# Altium PCB PuttPilot-Node.PcbDoc (part 2 of 2)
Units mm, origin at the board's own origin, x right, y up, seen from the top; angles counter-clockwise.
Board outline 130 x 60 mm, 4 copper layers (L01-SIG, L02-GND, L03-PWR, L04-SIG), stack 0.603 mm thick; 152 components, 66 nets, 381 pads, 496 vias.
Unrouted connection lines stored in the file: 140.
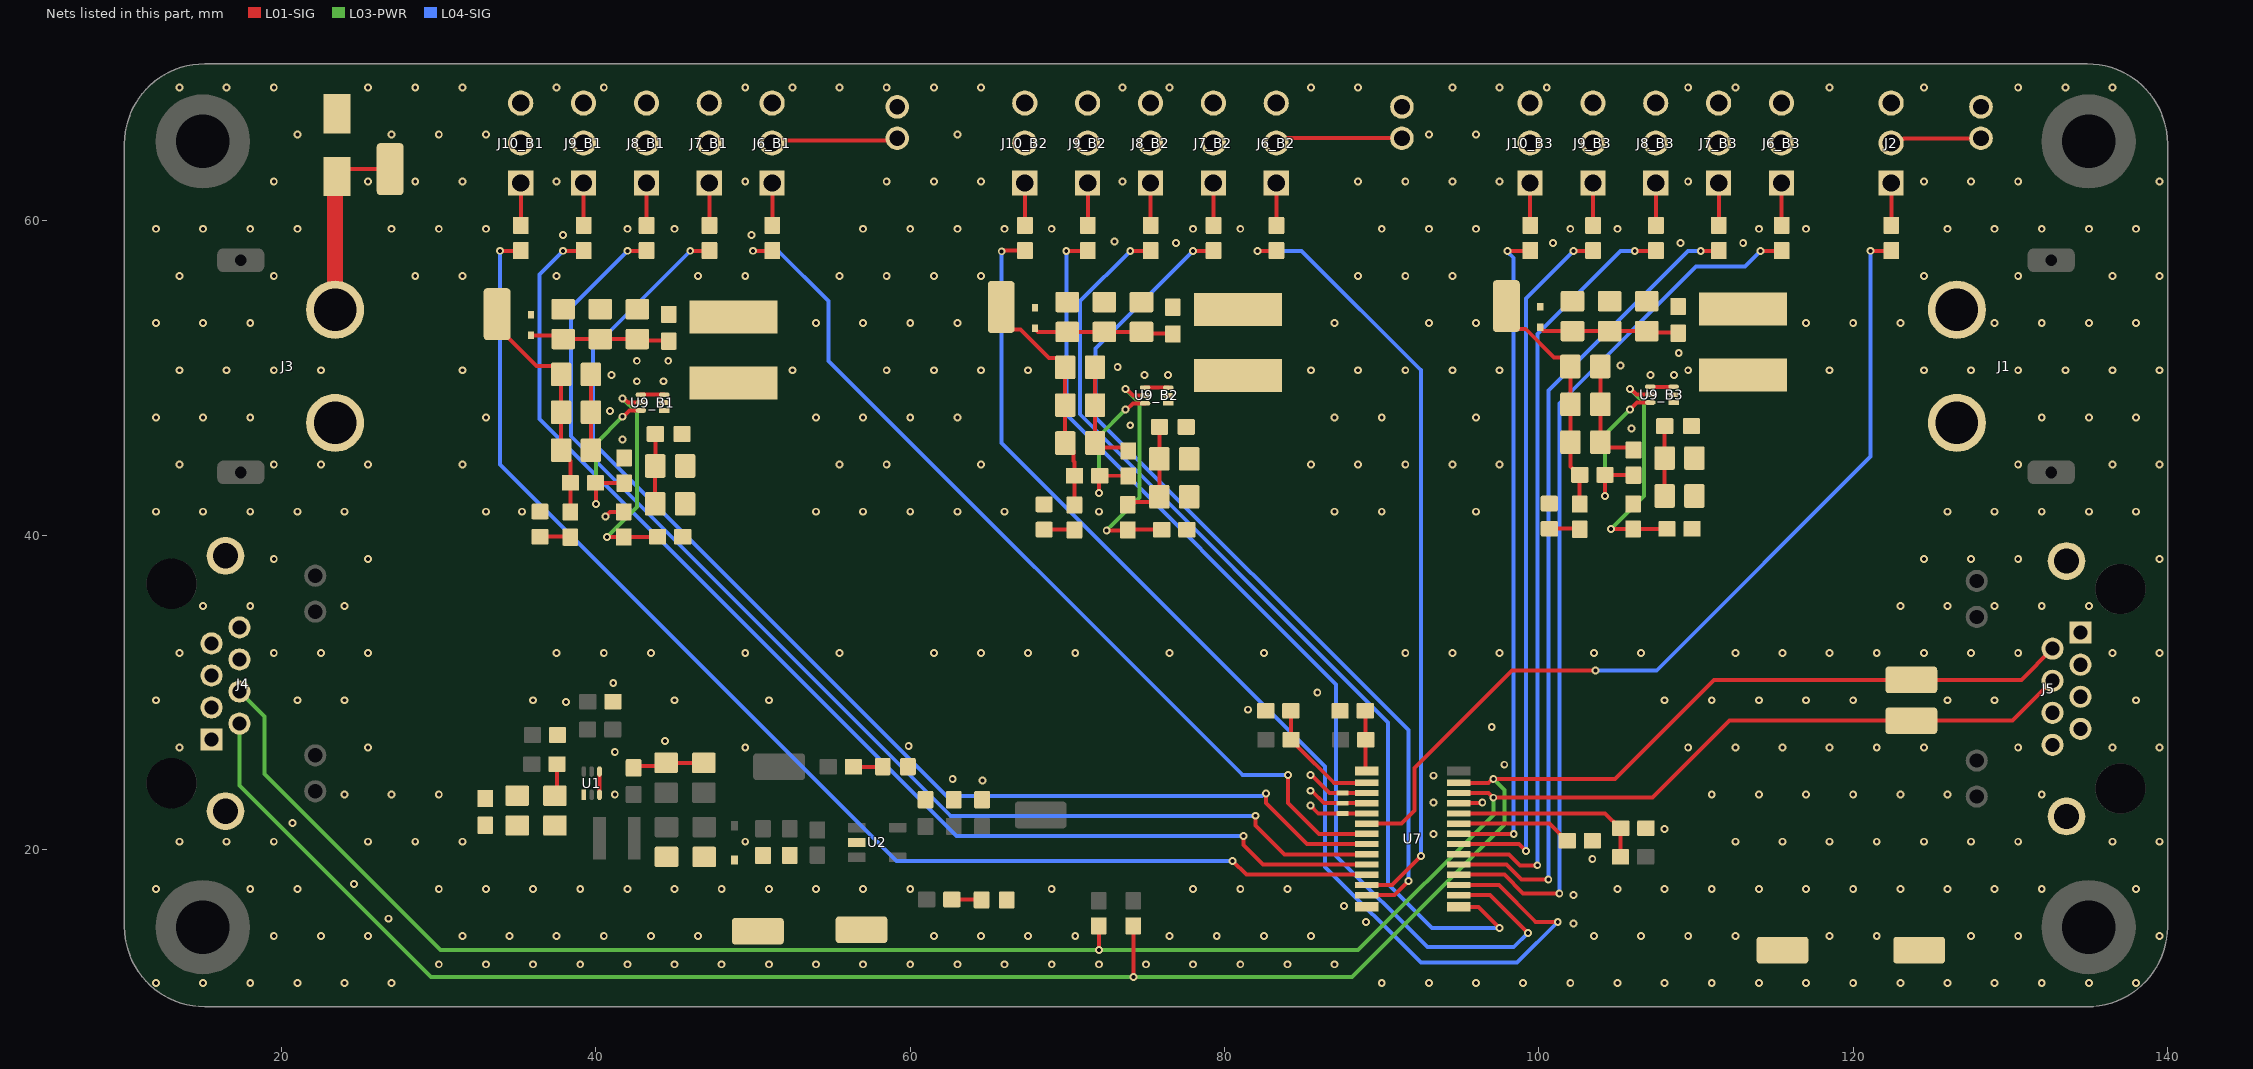
[diagram p4: the nets of this part, all layers, seen from the top]

## Via types
v1: diameter 0.5, hole 0.25, L01-SIG to L04-SIG, tented both sides, 496 vias

## Nets (pads, with @x,y where several pads share a name; then routed paths per layer and width w, separated by ;. In a path a pad name is that pad's centre, name@x,y a point inside that pad or via, vN(x,y) a via of type N, cw(c..) or ccw(c..) an arc to the next point about the centre after c; other vN are vias at no path point) (continued)
6V_BUS1: C14_B1.1 C23_B1.2 C24_B1.2 C25_B1.2 C26_B1.2 C27_B1.2 C28_B1.2 C29_B1.2 D29_B1.1 J6_B1.2 J7_B1.2 J8_B1.2 J9_B1.2 J10_B1.2 L2_B1.2 R66_B1.2 R68_B1.2 TP1_B1.1 | length 23.2
  L01-SIG w0.254: TP1_B1.1@33.705,54.072 33.705,53.272 36.219,50.758 37.256,50.758 37.779,50.235 C27_B1.2@37.779,50.232 C28_B1.2@37.779,47.83 C29_B1.2@37.779,45.417 37.779,45.317 38.374,44.722 R68_B1.2@38.374,43.334 38.368,43.328 R66_B1.2@38.368,41.478 ; J6_B1.2@51.21,64.959 51.36,65.108 59.02,65.108 C14_B1.1@59.17,65.258
6V_BUS2: C14_B2.1 C23_B2.2 C24_B2.2 C25_B2.2 C26_B2.2 C27_B2.2 C28_B2.2 C29_B2.2 D29_B2.1 J6_B2.2 J7_B2.2 J8_B2.2 J9_B2.2 J10_B2.2 L2_B2.2 R66_B2.2 R68_B2.2 TP1_B2.1 | length 23.1
  L01-SIG w0.254: TP1_B2.1@65.783,54.524 65.783,53.8 66.499,53.083 67.014,53.083 68.826,51.271 69.334,51.271 69.857,50.748 C27_B2.2@69.857,50.684 C28_B2.2@69.857,48.282 C29_B2.2@69.857,45.869 70.38,45.346 70.38,44.739 70.452,44.667 R68_B2.2@70.452,43.786 70.446,43.78 R66_B2.2@70.446,41.93 ; J6_B2.2@83.344,65.28 C14_B2.1@91.286,65.28
6V_BUS3: C14_B3.1 C23_B3.2 C24_B3.2 C25_B3.2 C26_B3.2 C27_B3.2 C28_B3.2 C29_B3.2 D29_B3.1 J2.2 J6_B3.2 J7_B3.2 J8_B3.2 J9_B3.2 J10_B3.2 L2_B3.2 R66_B3.2 R68_B3.2 TP1_B3.1 | length 21
  L01-SIG w0.254: TP1_B3.1@97.933,54.578 97.933,53.854 98.649,53.137 99.164,53.137 100.976,51.325 101.484,51.325 102.007,50.802 C27_B3.2@102.007,50.738 C28_B3.2@102.007,48.336 C29_B3.2@102.007,45.923 102.007,44.385 102.552,43.84 R68_B3.2@102.602,43.84 102.596,43.834 R66_B3.2@102.596,41.984 ; J2.2@122.415,64.959 122.673,65.217 123.195,65.217 123.237,65.258 C14_B3.1@128.131,65.258
6V_EN_B1: R67_B1.1 R69_B1.2 U9_B1.5 | length 14.5
  L01-SIG w0.254: v1(40.7,39.9) 41.754,39.9 R69_B1.2@41.768,39.886 41.784,39.902 R67_B1.1@43.921,39.902 ; v1(41.7,48.7) 41.767,48.7 42.024,48.442 U9_B1.5@42.86,48.442
  L03-PWR w0.254: v1(40.7,39.9) 42.6,41.8 42.6,47.8 v1(41.7,48.7)
6V_EN_B2: R67_B2.1 R69_B2.2 U9_B2.5 | length 15.2
  L01-SIG w0.254: v1(72.5,40.3) 73.808,40.3 R69_B2.2@73.846,40.338 73.862,40.354 R67_B2.1@75.999,40.354 ; v1(73.7,49.3) 73.767,49.3 74.172,48.894 U9_B2.5@74.938,48.894
  L03-PWR w0.254: v1(72.5,40.3) 74.6,42.4 74.6,48.4 v1(73.7,49.3)
6V_EN_B3: R67_B3.1 R69_B3.2 U9_B3.5 | length 15.1
  L01-SIG w0.254: v1(104.6,40.4) 106.004,40.4 106.012,40.408 R67_B3.1@108.149,40.408 ; v1(105.8,49.3) 105.867,49.3 106.218,48.948 U9_B3.5@107.088,48.948
  L03-PWR w0.254: v1(104.6,40.4) 106.7,42.5 106.7,48.4 v1(105.8,49.3)
6V_FB_B1: R68_B1.1 R70_B1.2 U9_B1.6 | length 10.7
  L01-SIG w0.254: v1(40,42) 40,43.308 R68_B1.1@39.974,43.334 41.774,43.334 R70_B1.2@41.793,43.315 ; v1(41.694,47.545) 41.747,47.545 42.144,47.942 U9_B1.6@42.86,47.942
  L03-PWR w0.254: v1(40,42) 40,45.851 v1(41.694,47.545)
6V_FB_B2: R68_B2.1 R70_B2.2 U9_B2.6 | length 10.3
  L01-SIG w0.254: v1(72,42.7) 72,43.734 R68_B2.1@72.052,43.786 73.852,43.786 R70_B2.2@73.871,43.767 ; v1(73.7,48) 73.767,48 74.161,48.394 U9_B2.6@74.938,48.394
  L03-PWR w0.254: v1(72,42.7) 72,46.3 v1(73.7,48)
6V_FB_B3: R68_B3.1 R70_B3.2 U9_B3.6 | length 10.8
  L01-SIG w0.254: v1(104.2,42.5) 104.2,43.838 R68_B3.1@104.202,43.84 106.002,43.84 R70_B3.2@106.021,43.821 ; v1(105.8,48) 106.248,48.448 U9_B3.6@107.088,48.448
  L03-PWR w0.254: v1(104.2,42.5) 104.2,46.4 v1(105.8,48)
6V_SW_B1: L2_B1.1 U9_B1.2
6V_SW_B2: L2_B2.1 U9_B2.2
6V_SW_B3: L2_B3.1 U9_B3.2
12V: 12V.1 C1.2 C2.2 C3.2 C20_B1.2 C20_B2.2 C20_B3.2 C21_B1.2 C21_B2.2 C21_B3.2 C22_B1.2 C22_B2.2 C22_B3.2 D1.2 J1.1 J3.1 R2.2 R67_B1.2 R67_B2.2 R67_B3.2 U1.1 U9_B1.1 U9_B2.1 U9_B3.1 | length 14.2
  L01-SIG w0.254: D1.2@23.525,62.825 24,63.3 12V.1@26.9,63.3 ; C1.2@37.389,23.43 37.518,23.559 R2.2@37.518,25.436
  L01-SIG w1.016: J3.1@23.4,54.35 23.4,62.7 D1.2@23.525,62.825
GND: C1.1 C2.1 C3.1 C4.1 C5.1 C6.1 C7.1 C8.1 C9.1 C10.1 C11.1 C12.1 C13.1 C14_B1.2 C14_B2.2 C14_B3.2 C20_B1.1 C20_B2.1 C20_B3.1 C21_B1.1 C21_B2.1 C21_B3.1 C22_B1.1 C22_B2.1 C22_B3.1 C23_B1.1 C23_B2.1 C23_B3.1 C24_B1.1 C24_B2.1 C24_B3.1 C25_B1.1 C25_B2.1 C25_B3.1 C26_B1.1 C26_B2.1 C26_B3.1 C27_B1.1 C27_B2.1 C27_B3.1 C28_B1.1 C28_B2.1 C28_B3.1 C29_B1.1 C29_B2.1 C29_B3.1 D1.1 D2.1 D4.2 D5.2 D29_B1.2 D29_B2.2 D29_B3.2 D30_B1.2 D30_B2.2 D30_B3.2 GND1.1 GND2.1 GND3.1 GND4.1 J1.2 J2.3 J3.2 J4.1 J4.3 J4.5 J4.6 J4.7 J4.8 J4.SH1 J4.SH2 J5.1 J5.3 J5.5 J5.6 J5.7 J5.8 J5.SH1 J5.SH2 J6_B1.3 J6_B2.3 J6_B3.3 J7_B1.3 J7_B2.3 J7_B3.3 J8_B1.3 J8_B2.3 J8_B3.3 J9_B1.3 J9_B2.3 J9_B3.3 J10_B1.3 J10_B2.3 J10_B3.3 NT1.1 NT2.1 NT3.1 R4.1 R5.1 R36.1 R60.1 R61.1 R62.1 R69_B1.1 R69_B2.1 R69_B3.1 R70_B1.1 R70_B2.1 R70_B3.1 U1.3 U1.4 U2.2 U7.14 U7.25 U9_B1.3 U9_B1.4 U9_B2.3 U9_B2.4 U9_B3.3 U9_B3.4 | length 81
  L01-SIG w0.254: D29_B1.2@35.864,52.718 37.678,52.718 C24_B1.1@37.911,52.485 C25_B1.1@40.273,52.485 C26_B1.1@42.635,52.485 42.74,52.381 44.606,52.381 C23_B1.1@44.633,52.353 ; C29_B1.1@39.679,45.417 C28_B1.1@39.679,47.83 C27_B1.1@39.679,50.232 ; U1.3@40.225,23.485 U1.4@40.225,24.965 ; v1(40.6,41.2) 40.887,41.486 R69_B1.1@41.768,41.486 ; C4.1@42.395,25.198 42.517,25.32 44.261,25.32 C7.1@44.461,25.52 C8.1@46.861,25.52 ; U9_B1.4@42.86,48.942 U9_B1.3@44.34,48.942 ; C20_B1.1@43.77,41.993 C21_B1.1@43.77,44.406 43.778,44.414 C22_B1.1@43.778,46.442 ; D29_B2.2@67.942,53.17 67.942,53.13 68.135,52.937 C24_B2.1@69.989,52.937 C25_B2.1@72.351,52.937 C26_B2.1@74.713,52.937 74.818,52.833 76.684,52.833 C23_B2.1@76.711,52.805 ; C27_B2.1@71.757,50.684 C28_B2.1@71.757,48.282 C29_B2.1@71.757,45.869 72.053,45.573 73.665,45.573 R70_B2.1@73.871,45.367 ; R69_B2.1@73.846,41.938 74.011,42.103 75.506,42.103 C20_B2.1@75.848,42.445 C21_B2.1@75.848,44.858 75.856,44.866 C22_B2.1@75.856,46.894 ; U9_B2.4@74.938,49.394 U9_B2.3@76.418,49.394 ; v1(85.461,22.8) 85.961,22.3 NT3.1@87.2,22.3 ; v1(85.467,23.743) 85.53,23.743 86.323,22.95 NT2.1@87.22,22.95 ; v1(85.467,24.749) 85.524,24.749 86.673,23.6 NT1.1@87.17,23.6 ; U7.25@94.901,22.951 94.925,22.975 96.375,22.975 v1(96.4,23) ; D29_B3.2@100.092,53.224 100.092,53.184 100.285,52.991 C24_B3.1@102.139,52.991 C25_B3.1@104.501,52.991 C26_B3.1@106.863,52.991 106.968,52.887 108.834,52.887 C23_B3.1@108.861,52.859 ; C27_B3.1@103.907,50.738 C28_B3.1@103.907,48.336 C29_B3.1@103.907,45.923 104.247,45.584 105.859,45.584 R70_B3.1@106.021,45.421 ; U9_B3.4@107.088,49.448 U9_B3.3@108.568,49.448 ; C20_B3.1@107.998,42.499 C21_B3.1@107.998,44.912 108.006,44.92 C22_B3.1@108.006,46.948
  other v1: 12,11.5 15,11.5 18,11.5 21,11.5 24,11.5 27,11.5 90,11.5 93,11.5 96,11.5 99,11.5 102,11.5 105,11.5 108,11.5 111,11.5 114,11.5 117,11.5 120,11.5 123,11.5 126,11.5 129,11.5 132,11.5 135,11.5 138,11.5 30,12.7 33.001,12.7 35.999,12.7 39,12.7 42,12.7 45.001,12.7 47.999,12.7 51,12.7 54,12.7 57.001,12.7 59.999,12.7 63,12.7 66,12.7 69.001,12.7 71.999,12.7 75,12.7 78,12.7 81.001,12.7 83.999,12.7 87,12.7 19.5,14.5 22.5,14.5 25.5,14.5 31.5,14.5 34.5,14.5 37.5,14.5 40.5,14.5 43.5,14.5 46.5,14.5 61.5,14.5 64.5,14.5 67.5,14.5 70.5,14.5 76.5,14.5 79.5,14.5 82.5,14.5 85.5,14.5 103.5,14.5 106.5,14.5 109.5,14.5 112.5,14.5 118.5,14.5 121.5,14.5 127.5,14.5 130.5,14.5 139.5,14.5 102.2,15.3 89,15.4 26.8,15.6 87.6,16.4 102.2,17.1 12,17.5 18,17.5 21,17.5 30,17.5 33,17.5 36,17.5 39,17.5 42,17.5 45,17.5 48,17.5 51,17.5 54,17.5 57,17.5 60,17.5 69,17.5 78,17.5 81,17.5 84,17.5 105,17.5 108,17.5 111,17.5 114,17.5 117,17.5 120,17.5 123,17.5 126,17.5 129,17.5 132,17.5 138,17.5 24.6,17.8 103.4,19.4 13.5,20.5 16.5,20.5 19.5,20.5 25.5,20.5 28.5,20.5 31.5,20.5 49.5,20.5 112.5,20.5 115.5,20.5 118.5,20.5 121.5,20.5 124.5,20.5 127.5,20.5 130.5,20.5 136.5,20.5 139.5,20.5 93.3,21 108,21.3 20.7,21.7 93.3,23 24,23.5 27,23.5 30,23.5 41.2,23.5 111,23.5 114,23.5 117,23.5 120,23.5 123,23.5 126,23.5 132,23.5 64.599,24.4 62.699,24.5 93.3,24.7 97.8,25.4 41.2,26.2 13.5,26.5 25.5,26.5 49.5,26.5 109.5,26.5 112.5,26.5 115.5,26.5 118.5,26.5 121.5,26.5 124.5,26.5 130.5,26.5 136.5,26.5 139.5,26.5 59.899,26.6 44.4,26.9 97,27.8 81.5,28.9 38.099,29.4 12,29.5 21,29.5 24,29.5 36,29.5 45,29.5 51,29.5 108,29.5 111,29.5 114,29.5 117,29.5 120,29.5 126,29.5 129,29.5 138,29.5 85.9,30 41.099,30.6 13.5,32.5 19.5,32.5 22.5,32.5 25.5,32.5 37.5,32.5 40.5,32.5 43.5,32.5 49.5,32.5 55.5,32.5 61.5,32.5 64.5,32.5 67.5,32.5 70.5,32.5 76.5,32.5 82.5,32.5 91.5,32.5 94.5,32.5 97.5,32.5 103.5,32.5 106.5,32.5 112.5,32.5 115.5,32.5 118.5,32.5 121.5,32.5 124.5,32.5 127.5,32.5 130.5,32.5 136.5,32.5 139.5,32.5 15,35.5 18,35.5 24,35.5 123,35.5 126,35.5 129,35.5 132,35.5 135,35.5 19.5,38.5 25.5,38.5 124.5,38.5 127.5,38.5 130.5,38.5 139.5,38.5 12,41.5 15,41.5 18,41.5 21,41.5 24,41.5 33,41.5 35.3,41.5 54,41.5 57,41.5 60,41.5 63,41.5 66,41.5 72,41.5 87,41.5 90,41.5 96,41.5 126,41.5 129,41.5 132,41.5 135,41.5 138,41.5 13.5,44.5 19.5,44.5 22.5,44.5 25.5,44.5 31.5,44.5 55.5,44.5 58.5,44.5 64.5,44.5 85.5,44.5 88.5,44.5 91.5,44.5 94.5,44.5 97.5,44.5 130.5,44.5 136.5,44.5 139.5,44.5 41.7,46.1 105.9,46.8 74,47 12,47.5 15,47.5 18,47.5 33,47.5 54,47.5 57,47.5 60,47.5 63,47.5 87,47.5 90,47.5 96,47.5 132,47.5 135,47.5 138,47.5 40.9,47.9 42.6,49.8 44.3,49.8 41,50.2 74.9,50.2 76.4,50.2 107.1,50.2 108.6,50.2 13.5,50.5 16.5,50.5 19.5,50.5 22.5,50.5 31.5,50.5 52.5,50.5 58.5,50.5 61.5,50.5 64.5,50.5 67.5,50.5 85.5,50.5 88.5,50.5 91.5,50.5 94.5,50.5 97.5,50.5 109.5,50.5 118.5,50.5 124.5,50.5 127.5,50.5 130.5,50.5 133.5,50.5 136.5,50.5 139.5,50.5 73.2,50.7 105.2,50.8 42.6,51.1 44.6,51.1 108.9,51.6 12,53.5 15,53.5 18,53.5 54,53.5 57,53.5 60,53.5 63,53.5 87,53.5 93,53.5 96,53.5 117,53.5 120,53.5 123,53.5 129,53.5 132,53.5 135,53.5 138,53.5 13.5,56.5 19.5,56.5 28.5,56.5 31.5,56.5 37.5,56.5 46.5,56.5 49.5,56.5 55.5,56.5 58.5,56.5 61.5,56.5 64.5,56.5 88.5,56.5 91.5,56.5 94.5,56.5 124.5,56.5 130.5,56.5 136.5,56.5 139.5,56.5 76.9,58.6 100.9,58.6 109,58.6 113,58.6 73,58.7 37.9,59.1 49.9,59.1 12,59.5 15,59.5 18,59.5 21,59.5 27,59.5 30,59.5 33,59.5 42,59.5 45,59.5 57,59.5 60,59.5 63,59.5 66,59.5 69,59.5 78,59.5 81,59.5 90,59.5 93,59.5 96,59.5 102,59.5 105,59.5 114,59.5 117,59.5 126,59.5 129,59.5 132,59.5 135,59.5 138,59.5 19.5,62.5 25.5,62.5 28.5,62.5 31.5,62.5 37.5,62.5 49.5,62.5 58.5,62.5 61.5,62.5 64.5,62.5 73.5,62.5 88.5,62.5 91.5,62.5 94.5,62.5 97.5,62.5 109.5,62.5 124.5,62.5 127.5,62.5 130.5,62.5 139.5,62.5 21,65.5 27,65.5 30,65.5 33,65.5 63,65.5 93,65.5 96,65.5 13.5,68.5 16.5,68.5 19.5,68.5 25.5,68.5 28.5,68.5 31.5,68.5 37.5,68.5 40.5,68.5 49.5,68.5 52.5,68.5 55.5,68.5 58.5,68.5 61.5,68.5 64.5,68.5 73.5,68.5 76.5,68.5 85.5,68.5 88.5,68.5 94.5,68.5 97.5,68.5 100.5,68.5 109.5,68.5 112.5,68.5 118.5,68.5 124.5,68.5 130.5,68.5 133.5,68.5 136.5,68.5
I2C_PWM_A0: R54.1 R60.2 U7.1 | length 3.9
  L01-SIG w0.254: R60.2@88.95,28.825 88.966,28.809 88.966,27.005 R54.1@88.982,26.989 88.982,25.07 U7.1@89.051,25.001
I2C_PWM_A1: R55.1 R61.2 U7.2 | length 7.8
  L01-SIG w0.254: R61.2@84.218,28.836 84.225,28.829 84.225,26.996 R55.1@84.232,26.989 ; R55.1@84.282,26.989 84.655,26.616 84.655,26.566 86.97,24.251 U7.2@89.051,24.251
I2C_PWM_A2: NT1.2 U7.3 | length 1.2
  L01-SIG w0.254: NT1.2@87.855,23.6 U7.3@89.051,23.601
I2C_PWM_A3: NT2.2 U7.4 | length 1.2
  L01-SIG w0.254: NT2.2@87.83,22.95 U7.4@89.051,22.951
I2C_PWM_A4: NT3.2 U7.5 | length 1.2
  L01-SIG w0.254: NT3.2@87.845,22.3 U7.5@89.051,22.301
I2C_PWM_A5: R56.1 R62.2 U7.24 | length 12.5
  L01-SIG w0.254: U7.24@94.901,22.301 104.22,22.301 105.157,21.364 R62.2@105.207,21.364 105.2,21.357 105.2,19.543 R56.1@105.193,19.536
I2C_SCL: J4.4 J5.4 R10.1 SCL.1 U7.26 | length 135.8
  L01-SIG w0.254: v1(72,13.6) R10.1@72,15.132 ; U7.26@94.901,23.601 96.8,23.6 v1(97.1,23.3) 107.225,23.3 112.125,28.2 SCL.1@123.6,28.2 ; SCL.1@123.7,28.2 130.14,28.2 131.636,29.696 J5.4@132.683,30.743
  L03-PWR w0.254: J4.4@17.317,30.057 18.9,28.474 18.9,24.8 30.1,13.6 v1(72,13.6) 88.5,13.6 97.1,22.2 v1(97.1,23.3)
I2C_SDA: J4.2 J5.2 R9.1 SDA.1 U7.27 | length 141.2
  L01-SIG w0.254: R9.1@74.189,15.143 74.2,15.132 v1(74.2,11.9) ; U7.27@94.901,24.251 96.784,24.251 97.033,24.5 v1(97.1,24.5) 104.833,24.5 111.133,30.8 SDA.1@123.7,30.8 130.7,30.8 J5.2@132.683,32.783
  L03-PWR w0.254: J4.2@17.317,28.017 17.317,24.083 29.5,11.9 v1(74.2,11.9) 88.1,11.9 97.8,21.6 97.8,23.8 v1(97.1,24.5)
nEN_IC_PWM: R36.2 U7.23 | length 7.4
  L01-SIG w0.254: U7.23@94.901,21.651 100.67,21.651 101.757,20.564 R36.2@101.807,20.564
NetD4_1: D4.1 R6.1 | length 1.9
  L01-SIG w0.254: R6.1@56.382,25.264 58.239,25.264 D4.1@58.25,25.275
NetD5_1: D5.1 R7.1 | length 1.9
  L01-SIG w0.254: R7.1@62.641,16.824 62.643,16.822 64.507,16.822 D5.1@64.534,16.795
NetD30_B1_1: D30_B1.1 R66_B1.1 | length 1.9
  L01-SIG w0.254: D30_B1.1@36.438,39.91 38.336,39.91 R66_B1.1@38.368,39.878
NetD30_B2_1: D30_B2.1 R66_B2.1 | length 1.9
  L01-SIG w0.254: D30_B2.1@68.516,40.362 70.414,40.362 R66_B2.1@70.446,40.33
NetD30_B3_1: D30_B3.1 R66_B3.1 | length 1.9
  L01-SIG w0.254: D30_B3.1@100.666,40.416 102.564,40.416 R66_B3.1@102.596,40.384
SERVO_PWM_0: R1.2 U7.6 | length 57.7
  L01-SIG w0.254: U7.6@89.051,21.651 91.251,21.651 92.096,22.496 92.096,25.196 98.3,31.4 v1(103.6,31.4) ; v1(121.1,58.1) 122.41,58.1 R1.2@122.426,58.116
  L04-SIG w0.254: v1(103.6,31.4) 107.5,31.4 121.1,45 v1(121.1,58.1)
SERVO_PWM_0_OUT: J2.1 R1.1 | length 2.7
  L01-SIG w0.254: J2.1@122.415,62.918 122.426,62.907 R1.1@122.426,60.215
SERVO_PWM_1_1: R71_B1.2 U7.7 | length 58.9
  L01-SIG w0.254: v1(50,58.1) 51.205,58.1 R71_B1.2@51.221,58.116 ; v1(84.045,24.744) 84.045,22.955 85.999,21.001 U7.7@89.051,21.001
  L04-SIG w0.254: v1(50,58.1) 51.6,58.1 54.8,54.9 54.8,51.1 81.156,24.744 v1(84.045,24.744)
SERVO_PWM_1_2: R71_B2.2 U7.12 | length 49.9
  L01-SIG w0.254: v1(82.1,58.096) 83.279,58.096 R71_B2.2@83.299,58.116 ; U7.12@89.051,17.751 90.651,17.751 v1(92.5,19.6)
  L04-SIG w0.254: v1(82.1,58.096) 84.904,58.096 92.5,50.5 v1(92.5,19.6)
SERVO_PWM_1_3: R71_B3.2 U7.18 | length 56.3
  L01-SIG w0.254: U7.18@94.901,18.401 97.799,18.401 99,17.2 v1(101.3,17.2) ; v1(114.1,58.096) 115.429,58.096 R71_B3.2@115.449,58.116
  L04-SIG w0.254: v1(101.3,17.2) 101.3,48.4 110,57.1 113.104,57.1 v1(114.1,58.096)
SERVO_PWM_1_OUT_B1: J6_B1.1 R71_B1.1 | length 2.7
  L01-SIG w0.254: J6_B1.1@51.21,62.419 51.221,62.408 R71_B1.1@51.221,59.716
SERVO_PWM_1_OUT_B2: J6_B2.1 R71_B2.1 | length 2.7
  L01-SIG w0.254: J6_B2.1@83.288,62.871 83.299,62.86 R71_B2.1@83.299,60.168
SERVO_PWM_1_OUT_B3: J6_B3.1 R71_B3.1 | length 2.7
  L01-SIG w0.254: J6_B3.1@115.438,62.925 115.449,62.914 R71_B3.1@115.449,60.222
SERVO_PWM_2_1: R72_B1.2 U7.8 | length 76.3
  L01-SIG w0.254: v1(46,58.1) 47.205,58.1 R72_B1.2@47.221,58.116 ; v1(82.636,23.574) 82.636,22.964 85.249,20.351 U7.8@89.051,20.351
  L04-SIG w0.254: v1(46,58.1) 39.8,51.9 39.8,45.9 62.3,23.4 82.395,23.4 82.57,23.574 v1(82.636,23.574)
SERVO_PWM_2_2: R72_B2.2 U7.13 | length 55.2
  L01-SIG w0.254: v1(78,58.096) 79.279,58.096 R72_B2.2@79.299,58.116 ; U7.13@89.051,17.101 90.8,17.1 v1(91.7,18)
  L04-SIG w0.254: v1(78,58.096) 71.8,51.896 71.8,47.5 91.7,27.6 v1(91.7,18)
SERVO_PWM_2_3: R72_B3.2 U7.19 | length 51.7
  L01-SIG w0.254: U7.19@94.901,19.051 97.949,19.051 98.9,18.1 v1(100.6,18.1) ; v1(110.3,58.096) 111.429,58.096 R72_B3.2@111.449,58.116
  L04-SIG w0.254: v1(100.6,18.1) 100.6,49.2 109.496,58.096 v1(110.3,58.096)
SERVO_PWM_2_OUT_B1: J7_B1.1 R72_B1.1 | length 2.7
  L01-SIG w0.254: J7_B1.1@47.21,62.419 47.221,62.408 R72_B1.1@47.221,59.716
SERVO_PWM_2_OUT_B2: J7_B2.1 R72_B2.1 | length 2.7
  L01-SIG w0.254: J7_B2.1@79.288,62.871 79.299,62.86 R72_B2.1@79.299,60.168
SERVO_PWM_2_OUT_B3: J7_B3.1 R72_B3.1 | length 2.7
  L01-SIG w0.254: J7_B3.1@111.438,62.925 111.449,62.914 R72_B3.1@111.449,60.222
SERVO_PWM_3_1: R73_B1.2 U7.9 | length 76.5
  L01-SIG w0.254: v1(42,58.1) 43.205,58.1 R73_B1.2@43.221,58.116 ; v1(81.957,22.151) 81.957,21.543 83.799,19.701 U7.9@89.051,19.701
  L04-SIG w0.254: v1(42,58.1) 38.4,54.5 38.4,46.3 62.549,22.151 v1(81.957,22.151)
SERVO_PWM_3_2: R73_B2.2 U7.15 | length 62.5
  L01-SIG w0.254: v1(74,58.096) 75.279,58.096 R73_B2.2@75.299,58.116 ; U7.15@94.901,16.351 96.149,16.351 v1(97.5,15)
  L04-SIG w0.254: v1(74,58.096) 70.8,54.896 70.8,47.7 90.4,28.1 90.4,17.8 93.2,15 v1(97.5,15)
SERVO_PWM_3_3: R73_B3.2 U7.20 | length 48.8
  L01-SIG w0.254: U7.20@94.901,19.701 98.099,19.701 98.8,19 v1(99.9,19) ; v1(106.1,58.096) 107.429,58.096 R73_B3.2@107.449,58.116
  L04-SIG w0.254: v1(99.9,19) 99.9,52.8 105.196,58.096 v1(106.1,58.096)
SERVO_PWM_3_OUT_B1: J8_B1.1 R73_B1.1 | length 2.7
  L01-SIG w0.254: J8_B1.1@43.21,62.419 43.221,62.408 R73_B1.1@43.221,59.716
SERVO_PWM_3_OUT_B2: J8_B2.1 R73_B2.1 | length 2.7
  L01-SIG w0.254: J8_B2.1@75.288,62.871 75.299,62.86 R73_B2.1@75.299,60.168
SERVO_PWM_3_OUT_B3: J8_B3.1 R73_B3.1 | length 2.7
  L01-SIG w0.254: J8_B3.1@107.438,62.925 107.449,62.914 R73_B3.1@107.449,60.222
SERVO_PWM_4_1: R74_B1.2 U7.10 | length 77.4
  L01-SIG w0.254: v1(37.9,58.1) 39.205,58.1 R74_B1.2@39.221,58.116 ; v1(81.214,20.869) 81.214,20.286 82.449,19.051 U7.10@89.051,19.051
  L04-SIG w0.254: v1(37.9,58.1) 36.4,56.6 36.4,47.4 62.931,20.869 v1(81.214,20.869)
SERVO_PWM_4_2: R74_B2.2 U7.16 | length 67.4
  L01-SIG w0.254: v1(69.927,58.091) 71.274,58.091 R74_B2.2@71.299,58.116 ; U7.16@94.901,17.101 96.899,17.101 v1(99.3,14.7)
  L04-SIG w0.254: v1(69.927,58.091) 69.927,47.673 87.1,30.5 87.1,19.6 92.9,13.8 98.4,13.8 v1(99.3,14.7)
SERVO_PWM_4_3: R74_B3.2 U7.21 | length 45.2
  L01-SIG w0.254: U7.21@94.901,20.351 98.727,20.351 99.171,19.907 v1(99.175,19.907) ; v1(102.2,58.096) 103.429,58.096 R74_B3.2@103.449,58.116
  L04-SIG w0.254: v1(99.175,19.907) 99.175,55.071 v1(102.2,58.096)
SERVO_PWM_4_OUT_B1: J9_B1.1 R74_B1.1 | length 2.7
  L01-SIG w0.254: J9_B1.1@39.21,62.419 39.221,62.408 R74_B1.1@39.221,59.716
SERVO_PWM_4_OUT_B2: J9_B2.1 R74_B2.1 | length 2.7
  L01-SIG w0.254: J9_B2.1@71.288,62.871 71.299,62.86 R74_B2.1@71.299,60.168
SERVO_PWM_4_OUT_B3: J9_B3.1 R74_B3.1 | length 2.7
  L01-SIG w0.254: J9_B3.1@103.438,62.925 103.449,62.914 R74_B3.1@103.449,60.222
SERVO_PWM_5_1: R75_B1.2 U7.11 | length 80.9
  L01-SIG w0.254: v1(33.9,58.1) 35.205,58.1 R75_B1.2@35.221,58.116 ; v1(80.514,19.269) 81.382,18.401 U7.11@89.051,18.401
  L04-SIG w0.254: v1(33.9,58.1) 33.9,44.5 59.131,19.269 v1(80.514,19.269)
SERVO_PWM_5_2: R75_B2.2 U7.17 | length 74.9
  L01-SIG w0.254: v1(65.817,58.068) 65.884,58.068 65.931,58.116 R75_B2.2@67.299,58.116 ; U7.17@94.901,17.751 97.449,17.751 99.8,15.4 v1(101.2,15.4)
  L04-SIG w0.254: v1(65.817,58.068) 65.817,45.883 86.4,25.3 86.4,18.9 92.5,12.8 98.6,12.8 v1(101.2,15.4)
SERVO_PWM_5_3: R75_B3.2 U7.22 | length 42.2
  L01-SIG w0.254: U7.22@94.901,21.001 v1@98.399,21.001 ; v1(98,58.096) 99.429,58.096 R75_B3.2@99.449,58.116
  L04-SIG w0.254: v1(98,58.096) 98,58.029 98.4,57.629 v1(98.4,21)
SERVO_PWM_5_OUT_B1: J10_B1.1 R75_B1.1 | length 2.7
  L01-SIG w0.254: J10_B1.1@35.21,62.419 35.221,62.408 R75_B1.1@35.221,59.716
SERVO_PWM_5_OUT_B2: J10_B2.1 R75_B2.1 | length 2.7
  L01-SIG w0.254: J10_B2.1@67.288,62.871 67.299,62.86 R75_B2.1@67.299,60.168
SERVO_PWM_5_OUT_B3: J10_B3.1 R75_B3.1 | length 2.7
  L01-SIG w0.254: J10_B3.1@99.438,62.925 99.449,62.914 R75_B3.1@99.449,60.222
pads on no net: J1.MH0 J1.MH1 J3.MH0 J3.MH1 J4. J4.9 J4.10 J4.11 J4.12 J5. J5.9 J5.10 J5.11 J5.12 M1.1 M2.1 M3.1 M4.1 U2.4

## Polygon pours and split planes (outlines as drawn)
6V_BUS1 on L01-SIG "6V_BUS1_L01_P010" (solid, pour order 10): 46.5,52.873 51.572,52.873 51.926,53.227 51.926,54.797 51.001,55.722 34.326,55.722 33.801,55.197 33.801,54.297 34.201,53.897 45.476,53.897
6V_BUS2 on L01-SIG "6V_BUS2_L01_P019" (solid, pour order 19): 78.557,53.3 83.627,53.3 84.058,53.731 84.058,55.149 83.133,56.074 66.458,56.074 65.933,55.549 65.933,54.649 66.333,54.249 77.608,54.249
6V_BUS3 on L01-SIG "6V_BUS3_L01_P028" (solid, remove dead copper, pour order 28): 98.156,65.456 98.802,66.102 123.198,66.102 123.513,65.787 123.513,64.327 123.054,63.868 120.668,63.868 120.133,63.331 120.133,57.778 116.324,53.969 115.252,53.969 114.773,54.448 114.773,55.587 117.594,58.383 117.594,63.403 117.129,63.868 98.729,63.868 98.156,64.441
GND on L01-SIG "GND_L01_P037" (solid, remove dead copper, pour order 37): 15.1,10 cw(c15.1,15.1) 10,15.1 10,64.9 cw(c15.1,64.9) 15.1,70 15.101,70 134.9,70 cw(c134.9,64.9) 140,64.9 140,15.05 cw(c134.9,15.1) 134.9,10
5V on L01-SIG "5V_L01_P032" (solid, remove dead copper, pour order 32): 47.7,24 49.4,24 50.2,24.8 54,24.8 56.4,22.4 57,21.8 57,21.1 56.825,20.925 43.75,20.925 42.9,20.075 42.9,19.725 42.625,19.45 42.2,19.45 41.925,19.725 41.925,23.6 42.325,24
3V3 on L01-SIG "3V3_L01_P033" (solid, pour order 33): 59.1,21.9 58.8,21.6 58.8,20.9 59.3,20.4 69,20.4 71,18.4 71,16.9 71.6,16.3 74.6,16.3 75.2,16.9 75.2,19.9 72.3,22.8 66.6,22.8 65.7,21.9
5V_SW on L01-SIG "5V_SW_L01_P031" (solid, pour order 31): 39.525,23.675 39.525,19.725 39.95,19.3 40.4,19.3 40.55,19.45 40.55,22.075 39.925,22.7 39.925,23.675 39.825,23.775 39.625,23.775
12V on L01-SIG "12V_L01_P029" (solid, remove dead copper, pour order 29): 34.128,25 34.8,24.328 34.8,24.3 38.8,24.3 39.321,23.779 39.321,23.121 38.86,22.66 31.621,22.579 26.4,27.8 26.4,49.362 24.125,51.637 22.334,51.637 20.869,53.102 20.869,55.361 22.218,56.71 27.511,56.71 30.526,53.695 30.526,41.547 33.746,38.327 116.358,38.327 116.358,48.475 117.483,49.6 128.4,49.6 129.275,48.725 129.275,45.375 128.2,44.3 124.106,44.3 123.546,43.74 123.546,38.257 118.289,33 36.6,33 34.128,30.528
12V on L01-SIG "12V_L01_P027" (solid, remove dead copper, pour order 27): 108.379,48.553 108.329,48.503 108.329,48.278 109.504,47.103 109.504,39.153 108.629,38.278 117.829,38.278 116.454,39.653 116.454,48.553
12V on L01-SIG "12V_L01_P026" (solid, remove dead copper, pour order 26): 76.229,48.499 76.179,48.449 76.179,48.224 77.354,47.049 77.354,39.099 76.479,38.224 85.679,38.224 84.304,39.599 84.304,47.149 82.954,48.499
12V on L01-SIG "12V_L01_P025" (solid, remove dead copper, pour order 25): 44.151,48.047 44.101,47.997 44.101,47.772 45.276,46.597 45.276,38.647 44.401,37.772 53.601,37.772 52.226,39.147 52.226,46.697 50.876,48.047
6V_BUS1 on L01-SIG "6V_BUS1_L01_P024" (solid, remove dead copper, pour order 24): 51.974,53.463 51.024,53.463 50.545,53.942 50.545,55.233 53.366,58.03 53.366,62.897 52.484,63.779 34.372,63.779 33.928,64.223 33.928,65.813 34.305,66.174 54.231,66.174 55.354,65.051 55.354,56.843
6V_BUS2 on L01-SIG "6V_BUS2_L01_P014" (solid, remove dead copper, pour order 14): 84.052,53.915 83.102,53.915 82.623,54.394 82.623,55.533 85.444,58.329 85.444,63.349 84.993,63.8 66.593,63.8 66.006,64.387 66.006,65.622 66.713,66.3 86.334,66.3 87.432,65.202 87.432,57.295
6V_SW_B2 on L01-SIG "6V_SW_B2_L01_P022" (solid, remove dead copper, pour order 22): 76.208,48.731 76.34,48.595 82.929,48.595 83.633,49.299 83.633,50.349 83.308,50.674 83.308,50.749 78.611,50.749 76.812,48.951 76.335,48.951 76.208,48.824
6V_SW_B1 on L01-SIG "6V_SW_B1_L01_P011" (solid, remove dead copper, pour order 11): 44.076,48.379 44.208,48.243 50.796,48.243 51.501,48.947 51.501,49.997 51.176,50.322 51.176,50.397 46.479,50.397 44.68,48.599 44.202,48.599 44.076,48.472
6V_SW_B3 on L01-SIG "6V_SW_B3_L01_P023" (solid, remove dead copper, pour order 23): 108.461,48.918 108.593,48.782 115.181,48.782 115.886,49.486 115.886,50.536 115.561,50.861 115.561,50.936 110.863,50.936 109.065,49.138 108.587,49.138 108.461,49.011
6V_BUS3 on L01-SIG "6V_BUS3_L01_P020" (solid, pour order 20): 110.741,53.4 115.809,53.4 116.337,53.928 116.337,55.153 115.412,56.078 98.737,56.078 98.212,55.553 98.212,54.653 98.612,54.253 109.887,54.253
GND on L03-PWR "GND_L03_P036" (solid, remove dead copper, pour order 36): 15.1,10 cw(c15.1,15.1) 10,15.1 10,64.9 cw(c15.1,64.9) 15.1,70 15.101,70 134.9,70 cw(c134.9,64.9) 140,64.9 140,15.05 cw(c134.9,15.1) 134.9,10
5V on L03-PWR "5V_L03_P034" (solid, remove dead copper, pour order 34): 49.7,24.9 49.701,22.599 50.3,22 78.8,22 82.7,25.9 105,25.9 106.7,24.2 106.7,18.9 107.1,18.5 109.3,18.5 109.7,18.9 109.7,25.1 105,29.8 54.6,29.8
GND on L02-GND "GND_L02_P035" (solid, remove dead copper, pour order 35): 15.1,10 cw(c15.1,15.1) 10,15.1 10,64.9 cw(c15.1,64.9) 15.1,70 15.101,70 134.9,70 cw(c134.9,64.9) 140,64.9 140,15.05 cw(c134.9,15.1) 134.9,10
GND on L04-SIG "GND_L04_P038" (solid, remove dead copper, pour order 38): 15.1,10 cw(c15.1,15.1) 10,15.1 10,64.9 cw(c15.1,64.9) 15.1,70 15.101,70 134.9,70 cw(c134.9,64.9) 140,64.9 140,15.05 cw(c134.9,15.1) 134.9,10

## Silkscreen, mask and mechanical layers (free items; w line width, h text height)
Top Overlay:
  drawing of 12 lines, arcs and shapes, not listed
  text "GND" at 30.7,67.1 h1
  text "GND" at 62.8,67.1 h1
  text "GND" at 95,67.1 h1
  text "6V" at 31.1,64.4 h1
  text "6V" at 63.2,64.4 h1
  text "6V" at 95.4,64.4 h1
  text "PWM" at 30.4,61.9 h1
  text "PWM" at 62.5,61.9 h1
  text "PWM" at 94.7,61.9 h1
  text "Cont. Servo" at 120.2,61.1 h1 r90
  text "Servo In" at 91.3,56.2 h1
  text "14" at 98.8,56.2 h1
  text "13" at 102.8,56.2 h1
  text "12" at 106.8,56.2 h1
  text "11" at 110.9,56.2 h1
  text "10" at 114.8,56.2 h1
  text "Servo In" at 59.4,56.126 h1
  text "9" at 66.9,56.126 h1
  text "8" at 70.974,56.126 h1
  text "7" at 74.974,56.126 h1
  text "6" at 78.874,56.126 h1
  text "5" at 82.874,56.126 h1
  text "Servo In" at 27.5,55.9 h1
  text "4" at 34.974,55.9 h1
  text "3" at 38.974,55.9 h1
  text "2" at 43.074,55.9 h1
  text "1" at 46.974,55.9 h1
  text "0" at 51,55.9 h1
  text "6V BUS3" at 116.938,55.282 h1 r270
  text "6V BUS2" at 84.843,55.192 h1 r270
  text "6V BUS1" at 53.019,54.583 h1 r270
  text "A1" at 82.6,30.3 h1
  text "A0" at 87.429,30.282 h1
  text "GND" at 78.3,28.6 h1
  text "GND" at 90.7,28.4 h1
  text "5V" at 90.7,26.5 h1
  text "5V" at 78.3,26.4 h1
  text "GND" at 108.928,20.91 h1
  text "5V" at 108.828,19.01 h1
  text "A5" at 105.129,17.182 h1
Bottom Overlay:
  drawing of 17 lines, arcs and shapes, not listed
  text "PuttPilot Node | January 2025 / Ethan Abraham / Christopher Chung / Ria Narang / Nicholas Rampertab / Aidan Wilson" at 63.475,13.7 h2.5
M1 Board Outline:
  lines w0.254: 140,64.9 140,15.05 cw(c134.9,15.1) 134.9,10 15.1,10 cw(c15.1,15.1) 10,15.1 10,64.9 cw(c15.1,64.9) 15.1,70 24.55,70 134.9,70 cw(c134.9,64.9) 140,64.9

## Text inside footprints (layer, text, board x,y; h text height)
C14_B1: Top Overlay "-" at 59.963,67.505 h1 r270; Top Overlay "-" at 58.377,67.505 h1 r90; Top Overlay "+" at 58.803,63.05 h1 r270; Top Overlay "+" at 60.296,65.011 h1 r270; Top Overlay "+" at 58.044,65.011 h1 r90
C14_B2: Top Overlay "-" at 92.079,67.505 h1 r270; Top Overlay "-" at 90.493,67.505 h1 r90; Top Overlay "+" at 90.919,63.05 h1 r270; Top Overlay "+" at 92.412,65.011 h1 r270; Top Overlay "+" at 90.16,65.011 h1 r90
C14_B3: Top Overlay "-" at 128.924,67.505 h1 r270; Top Overlay "-" at 127.338,67.505 h1 r90; Top Overlay "+" at 127.764,63.05 h1 r270; Top Overlay "+" at 129.257,65.011 h1 r270; Top Overlay "+" at 127.005,65.011 h1 r90